# Altium PCB rf_detector.PcbDoc (part 2 of 3) (continued)
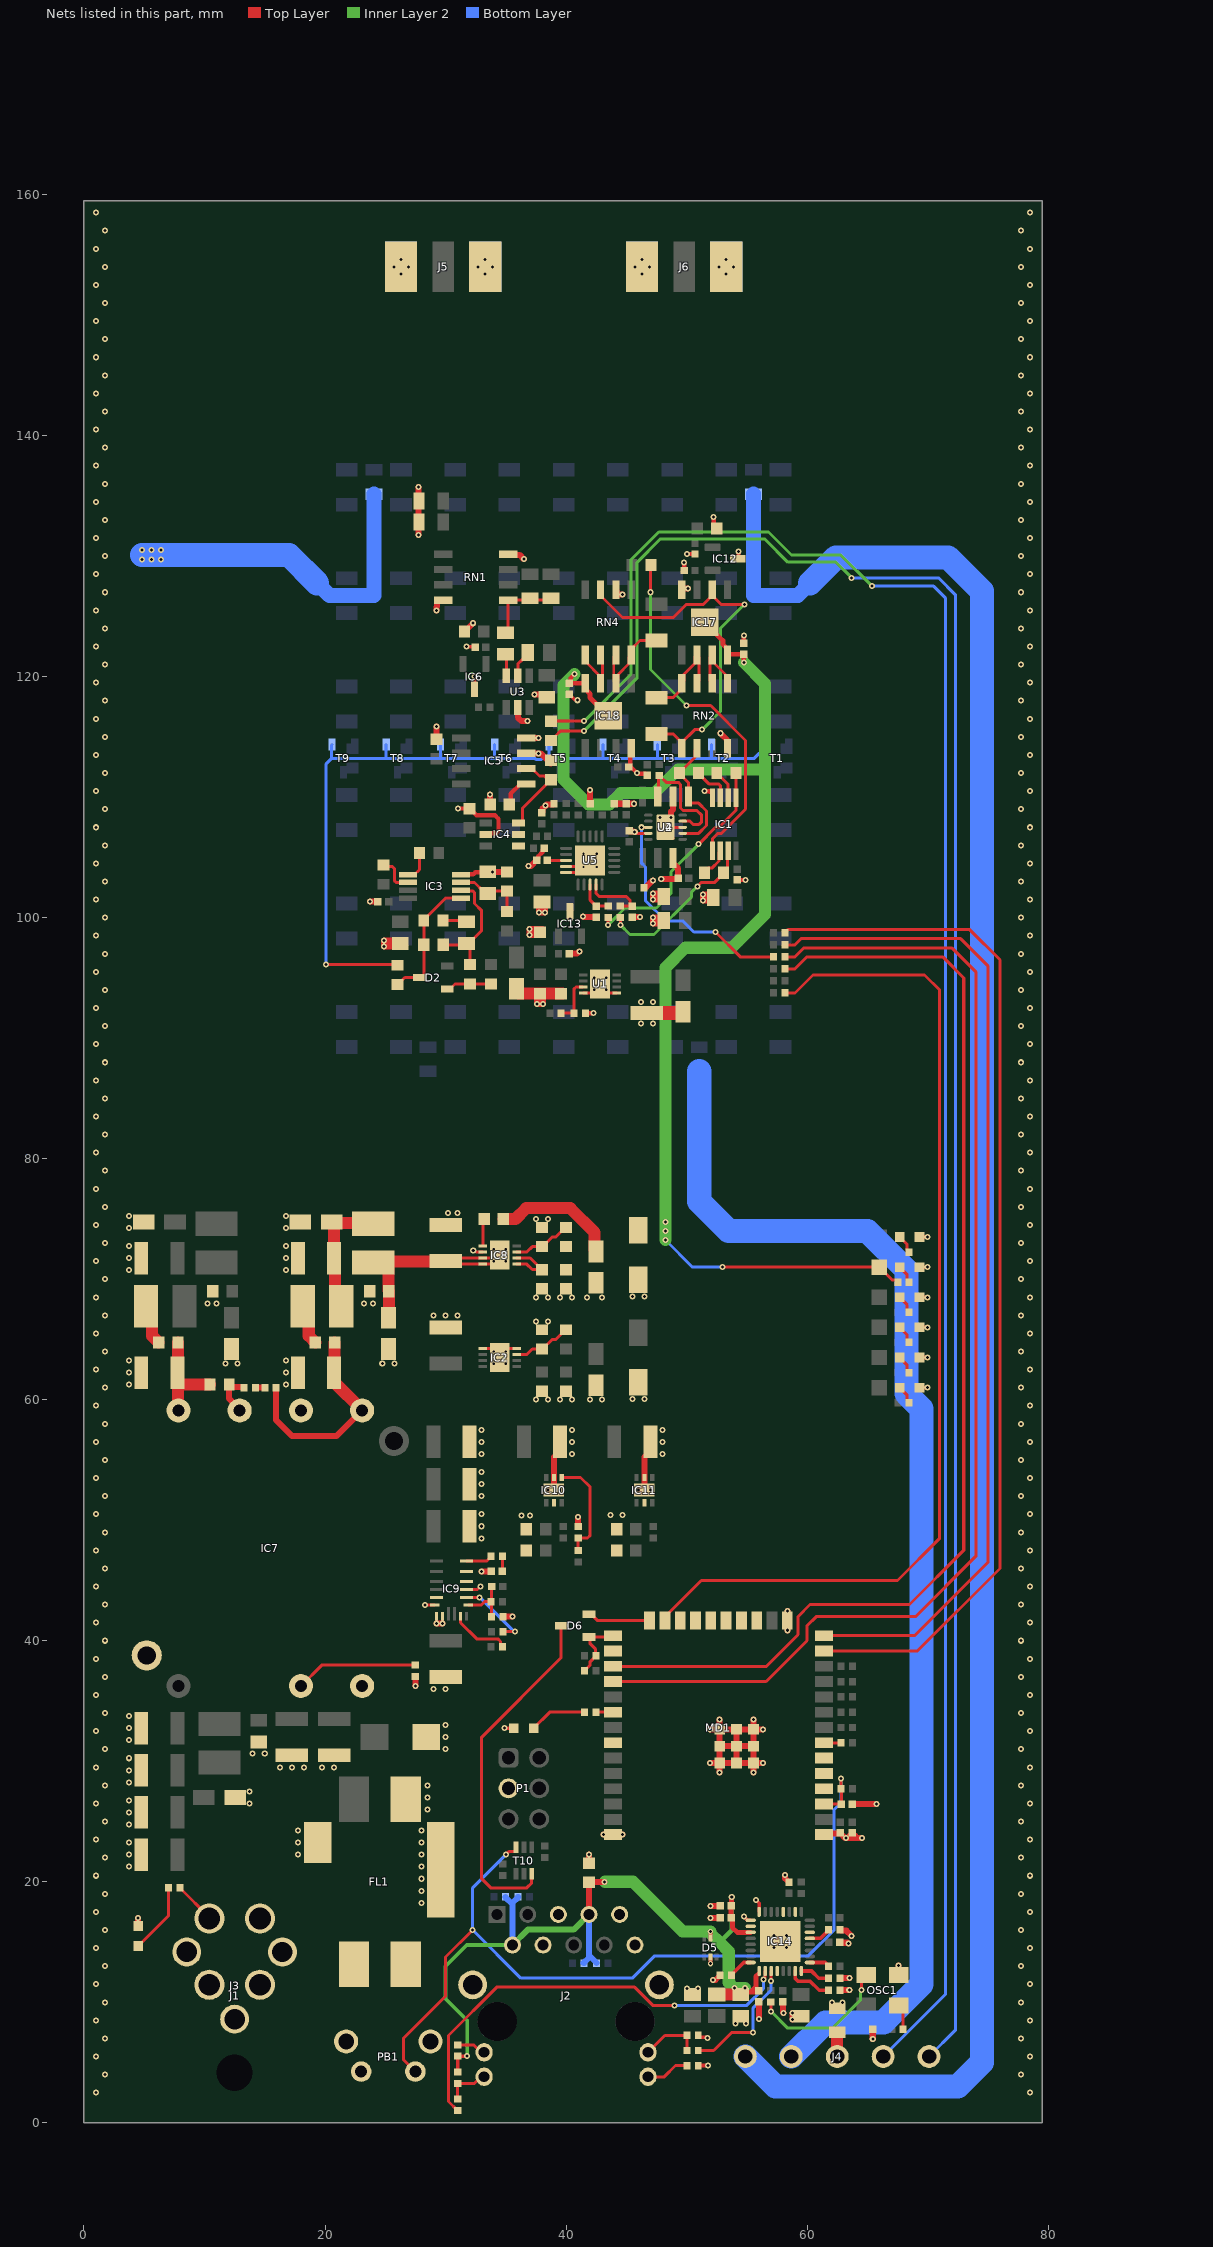
[diagram p4: the nets of this part, all layers, seen from the top]
## Part data (continued)
  R16 R97 R103 R104 R105 R108 R109 R112 R113 R120: CreateDate=03.12.2007, LatestRevisionDate=17.10.2012, PressFit=No, Sense=No, Status="Not Recommended"
  R110 R115 R134 R135 R139 R144 R146 R148 R149 R150 R151 R152 R154 R155: CreateDate=2007-12-03, LatestRevisionDate=2012-10-17, Status="Not recommended", Table="Resistors SMD"
R17: library part R0402_8K2_1%_0.0625W_100PPM, "Resistor - 1%", Case=0402, Manufacturer=GENERIC, Manufacturer1 ComponentHeight=0.4mm, Manufacturer1 Example="YAGEO PHYCOMP", Manufacturer Part Number=R0402_8K45_1%_0.0625W_100PPM, Power=0.0625W, Tolerance=±1%, Author="CERN DEM JLC", Component Type=Standard, CreateDate=03.12.2007, HelpURL=\\cern.ch\dfs\Applications\Altium\Datasheets\R0402_Phycomp_RC0402.pdf, LatestRevisionDate=17.10.2012, Mounted=Yes, Part Description="General Purpose Thick Film Chip Resistor", Part Number=R0402_8K45_1%_0.0625W_100PPM, Pin Count=2, PressFit=No, Sense=No, SMD=Yes, Socket=No, Status="Not Recommended", TC=±100ppm/°C
R19: library part R0402_51K_1%_0.0625W_100PPM, "Resistor - 1%", Case=0402, Manufacturer=GENERIC, Manufacturer1 ComponentHeight=0.4mm, Manufacturer1 Example="YAGEO PHYCOMP", Manufacturer1 Part Number=232270675103L, Power=0.0625W, Tolerance=±1%, Author="CERN DEM JLC", Component Type=Standard, CreateDate=03.12.2007, HelpURL=\\cern.ch\dfs\Applications\Altium\Datasheets\R0402_Phycomp_RC0402.pdf, LatestRevisionDate=17.10.2012, Manufacturer Part Number=R0402_51K_1%_0.0625W_100PPM, Mounted=Yes, Part Description="General Purpose Thick Film Chip Resistor", Part Number=R0402_51K_1%_0.0625W_100PPM, Pin Count=2, PressFit=No, Sense=No, SMD=Yes, Socket=No, Status="Not Recommended", TC=±100ppm/°C
R23 R24 R25 R26 R27 R28 R29 R30 R31 R33 R34 R35 R36 R37 R38 R39 R40 R41 R43 R44 R45 R46 R47 R48 R49 R50 R51 R65 R66 R67 R68 R69 R70 R71 R72 R73 R75 R76 R77 R78 R79 R80 R81 R82 R83 R86 R87 R88 R89 R90 R91 R92 R93 R94: library part R1206_43R_0.1%_0.25W_25PPM, "Resistor - 0.1%", Case=1206, Manufacturer=GENERIC, Manufacturer1 ComponentHeight=0.70mm, Manufacturer1 Example=KOA, Manufacturer1 Part Number=RN73H2BTTD43R0B25, Power=0.25W, Tolerance=±0.1%, Author="CERN DEM JLC", Component Type=Standard, CreateDate=03.12.2007, HelpURL=\\cern.ch\dfs\Applications\Altium\Datasheets\R1206_KOA_RN73H.pdf, LatestRevisionDate=13.03.2008, Manufacturer Part Number=R1206_43R_0.1%_0.25W_25PPM, Mounted=Yes, Part Description="Thin Film Chip Resistor", Part Number=R1206_43R_0.1%_0.25W_25PPM, Pin Count=2, PressFit=No, Sense=No, SMD=Yes, Socket=No, Status="Not Recommended", TC=±25ppm/°C
R32: library part R0402_2K49_1%_0.063W_100PPM, "Resistor - 0.1%", Case=0402, Manufacturer=GENERIC, Manufacturer1 ComponentHeight=0.4mm, Manufacturer Part Number=R0402_2K7_0.1%_0.063W_50PPM, Power=0.063W, Tolerance=±0.1%, Author="CERN DEM BC", Component Type=Standard, CreateDate=10.01.2020, HelpURL="\\cern.ch\dfs\Applications\Altium\Datasheets\R0402_VISHAY_CRCW e3.pdf", LatestRevisionDate=10.01.2020, Mounted=Yes, Part Description="General Purpose Thick Film Chip Resistor", Part Number=R0402_2K7_0.1%_0.063W_50PPM, Pin Count=2, PressFit=No, Sense=No, SMD=Yes, Socket=No, Status=None, TC=±50ppm/°C
R42: library part R0603_10M_1%_0.1W_100PPM, "Resistor - 1%", Case=0603, Manufacturer=GENERIC, Manufacturer1 ComponentHeight=0.55mm, Manufacturer1 Example=VISHAY, Manufacturer1 Part Number=CRCW060310M0FKEA, Power=0.1W, Tolerance=±1%, Author="CERN DEM JLC", Component Type=Standard, CreateDate=12.01.2017, HelpURL="\\cern.ch\dfs\Applications\Altium\Datasheets\R0603_VISHAY_CRCW e3.pdf", LatestRevisionDate=12.01.2017, Manufacturer Part Number=R0603_10M_1%_0.1W_100PPM, Mounted=Yes, Part Description="General Purpose Thick Film Chip Resistor", Part Number=R0603_10M_1%_0.1W_100PPM, Pin Count=2, PressFit=No, Sense=No, SMD=Yes, Socket=No, Status=Preferred, TC=±100ppm/°C
R52 R53 R54 R55 R56 R57 R58 R59 R60: library part R0603_0R_JUMPER, "Resistor", Case=0603, Manufacturer=GENERIC, Manufacturer1 ComponentHeight=0.55mm, Manufacturer1 Example="NIC COMPONENT", Manufacturer1 Part Number=NRC06Z0, Author="CERN DEM JLC", Component Type=Standard, CreateDate=03.12.2007, HelpURL=\\cern.ch\dfs\Applications\Altium\Datasheets\R0603_NIC_NRC.pdf, LatestRevisionDate=13.03.2008, Manufacturer Part Number=R0603_0R_JUMPER, Mounted=Yes, Part Description="1A (0.05R Max DC Resistance) Zero Ohm Jumper", Part Number=R0603_0R_JUMPER, Pin Count=2, PressFit=No, Sense=No, SMD=Yes, Socket=No, Status=Preferred
R62: library part R0603_100K_0.1%_0.063W_10PPM, "Resistor - 0.1%", Case=0603, Manufacturer=GENERIC, Manufacturer1 ComponentHeight=0.55mm, Manufacturer1 Example="TYCO HOLSWORTHY", Manufacturer1 Part Number=RN73C1J100KBTDF, Power=0.063W, Tolerance=±0.1%, Author="CERN DEM JLC", Component Type=Standard, CreateDate=03.12.2007, HelpURL=\\cern.ch\dfs\Applications\Altium\Datasheets\R0603_Tyco_RN73.pdf, LatestRevisionDate=13.03.2008, Manufacturer Part Number=R0603_100K_0.1%_0.063W_10PPM, Mounted=Yes, Part Description="Thin Film Chip Resistor", Part Number=R0603_100K_0.1%_0.063W_10PPM, Pin Count=2, PressFit=No, Sense=No, SMD=Yes, Socket=No, Status="Not Recommended", TC=±10ppm
R63 R85 R98: library part R0603_10K_0.1%_0.063W_10PPM, "Resistor - 0.1%", Case=0603, Manufacturer=GENERIC, Manufacturer1 ComponentHeight=0.5mm, Manufacturer1 Example="TYCO HOLSWORTHY", Manufacturer1 Part Number=RN73C1J10KBTDF, Power=0.063W, Tolerance=±0.1%, Author="CERN DEM JLC", Component Type=Standard, CreateDate=03.12.2007, HelpURL=\\cern.ch\dfs\Applications\Altium\Datasheets\R0603_Tyco_RN73.pdf, LatestRevisionDate=13.03.2008, Manufacturer Part Number=R0603_10K_0.1%_0.063W_10PPM, Mounted=Yes, Part Description="Thin Film Chip Resistor", Part Number=R0603_10K_0.1%_0.063W_10PPM, Pin Count=2, PressFit=No, Sense=No, SMD=Yes, Socket=No, Status="Not Recommended", TC=±10ppm
R64 R74: library part R0402_5K6_1%_0.0625W_100PPM, "Resistor - 1%", Case=0402, Manufacturer=GENERIC, Manufacturer1 ComponentHeight=0.4mm, Manufacturer1 Example="YAGEO PHYCOMP", Manufacturer Part Number=R0402_5K62_1%_0.0625W_100PPM, Power=0.0625W, Tolerance=±1%, Author="CERN DEM JLC", Component Type=Standard, CreateDate=03.12.2007, HelpURL=\\cern.ch\dfs\Applications\Altium\Datasheets\R0402_Phycomp_RC0402.pdf, LatestRevisionDate=17.10.2012, Mounted=Yes, Part Description="General Purpose Thick Film Chip Resistor", Part Number=R0402_5K62_1%_0.0625W_100PPM, Pin Count=2, PressFit=No, Sense=No, SMD=Yes, Socket=No, Status="Not Recommended", TC=±100ppm/°C
R84 R100 R101: library part R0402_2K4_1%_0.0625W_100PPM, "Resistor - 1%", Case=0402, Manufacturer=GENERIC, Manufacturer1 ComponentHeight=0.4mm, Manufacturer1 Example="YAGEO PHYCOMP", Manufacturer1 Part Number=232270672402L, Power=0.0625W, Tolerance=±1%, Author="CERN DEM JLC", Component Type=Standard, CreateDate=03.12.2007, HelpURL=\\cern.ch\dfs\Applications\Altium\Datasheets\R0402_Phycomp_RC0402.pdf, LatestRevisionDate=17.10.2012, Manufacturer Part Number=R0402_2K4_1%_0.0625W_100PPM, Mounted=Yes, Part Description="General Purpose Thick Film Chip Resistor", Part Number=R0402_2K4_1%_0.0625W_100PPM, Pin Count=2, PressFit=No, Sense=No, SMD=Yes, Socket=No, Status="Not Recommended", TC=±100ppm/°C
R99 R106 R107 R127 R133 R136 R137 R138: library part R0402_1K_1%_0.0625W_100PPM, "Resistor - 1%", Case=0402, Manufacturer=GENERIC, Manufacturer1 ComponentHeight=0.4mm, Manufacturer1 Example="YAGEO PHYCOMP", Manufacturer1 Part Number=232270671002L, Power=0.0625W, Tolerance=±1%, Author="CERN DEM JLC", Component Type=Standard, CreateDate=03.12.2007, HelpURL=\\cern.ch\dfs\Applications\Altium\Datasheets\R0402_Phycomp_RC0402.pdf, LatestRevisionDate=17.10.2012, Manufacturer Part Number=R0402_1K_1%_0.0625W_100PPM, Mounted=Yes, Part Description="General Purpose Thick Film Chip Resistor", Part Number=R0402_1K_1%_0.0625W_100PPM, Pin Count=2, PressFit=No, Sense=No, SMD=Yes, Socket=No, Status="Not Recommended", TC=±100ppm/°C
R102: library part R0402_5K1_1%_0.0625W_100PPM, "Resistor - 1%", Case=0402, Manufacturer=GENERIC, Manufacturer1 ComponentHeight=0.4mm, Manufacturer1 Example="YAGEO PHYCOMP", Manufacturer1 Part Number=232270675102L, Power=0.0625W, Tolerance=±1%, Author="CERN DEM JLC", Component Type=Standard, CreateDate=03.12.2007, HelpURL=\\cern.ch\dfs\Applications\Altium\Datasheets\R0402_Phycomp_RC0402.pdf, LatestRevisionDate=17.10.2012, Manufacturer Part Number=R0402_5K1_1%_0.0625W_100PPM, Mounted=Yes, Part Description="General Purpose Thick Film Chip Resistor", Part Number=R0402_5K1_1%_0.0625W_100PPM, Pin Count=2, PressFit=No, Sense=No, SMD=Yes, Socket=No, Status="Not Recommended", TC=±100ppm/°C
R111 R114 R140 R141: library part R0402_330R_1%_0.0625W_100PPM, "Resistor - 1%", Case=0402, Manufacturer=GENERIC, Manufacturer1 ComponentHeight=0.4mm, Manufacturer1 Example="YAGEO PHYCOMP", Manufacturer1 Part Number=232270673301L, Power=0.0625W, Tolerance=±1%, Author="CERN DEM JLC", Component Type=Standard, CreateDate=03.12.2007, HelpURL=\\cern.ch\dfs\Applications\Altium\Datasheets\R0402_Phycomp_RC0402.pdf, LatestRevisionDate=17.10.2012, Manufacturer Part Number=R0402_330R_1%_0.0625W_100PPM, Mounted=Yes, Part Description="General Purpose Thick Film Chip Resistor", Part Number=R0402_330R_1%_0.0625W_100PPM, Pin Count=2, PressFit=No, Sense=No, SMD=Yes, Socket=No, Status="Not Recommended", TC=±100ppm/°C
R117 R128 R129 R130 R131 R132: library part R0402_33R_1%_0.0625W_100PPM, "Resistor - 1%", Case=0402, Manufacturer=GENERIC, Manufacturer1 ComponentHeight=0.4mm, Manufacturer1 Example="YAGEO PHYCOMP", Manufacturer1 Part Number=232270673309L, Power=0.0625W, Tolerance=±1%, Author="CERN DEM JLC", Component Type=Standard, CreateDate=03.12.2007, HelpURL=\\cern.ch\dfs\Applications\Altium\Datasheets\R0402_Phycomp_RC0402.pdf, LatestRevisionDate=17.10.2012, Manufacturer Part Number=R0402_33R_1%_0.0625W_100PPM, Mounted=Yes, Part Description="General Purpose Thick Film Chip Resistor", Part Number=R0402_33R_1%_0.0625W_100PPM, Pin Count=2, PressFit=No, Sense=No, SMD=Yes, Socket=No, Status="Not Recommended", TC=±100ppm/°C
R122 R125: library part R0805_24R9_0.1%_0.1W_10PPM, "Resistor - 0.01%", Case=0805, Manufacturer=GENERIC, Manufacturer1 ComponentHeight=0.6mm, Manufacturer1 Example="TYCO HOLSWORTHY", Manufacturer1 Part Number=RU73X2A24R9LTDF, Manufacturer Part Number=R0805_24R9_0.01%_0.1W_2PPM, Power=0.1W, Tolerance=±0.01%, Author="CERN DEM JLC", Component Type=Standard, CreateDate=03.12.2007, HelpURL=\\cern.ch\dfs\Applications\Altium\Datasheets\R0805_Tyco_RN73.pdf, LatestRevisionDate=13.03.2008, Mounted=Yes, Part Description="Thin Film Chip Resistor", Part Number=R0805_24R9_0.01%_0.1W_2PPM, Pin Count=2, PressFit=No, Sense=No, SMD=Yes, Socket=No, Status="Not Recommended", TC=±2pm
R123 R124: library part R0805_100R_0.1%_0.1W_10PPM, "Resistor - 0.01% / 2PPM", Case=0805, Manufacturer=GENERIC, Manufacturer1 ComponentHeight=0.6mm, Manufacturer1 Example="TYCO HOLSWORTHY", Manufacturer1 Part Number=RN73C2A100RBTG, Part Number=RNCF0805TKW100R, Power=0.1W, Tolerance=±0.01%, Author="CERN DEM JLC", Component Type=Standard, CreateDate=03.12.2007, HelpURL=\\cern.ch\dfs\Applications\Altium\Datasheets\R0805_Tyco_RN73.pdf, LatestRevisionDate=13.03.2008, Manufacturer Part Number=R0805_100R_0.1%_0.1W_10PPM, Mounted=Yes, Part Description="Thin Film Chip Resistor", Pin Count=2, PressFit=No, Sense=No, SMD=Yes, Socket=No, Status="Not Recommended", TC=±10ppm
R126 R153: library part R0402_10R_1%_0.0625W_200PPM, "Resistor - 1%", Case=0402, Manufacturer=GENERIC, Manufacturer1 ComponentHeight=0.4mm, Manufacturer1 Example="YAGEO PHYCOMP", Manufacturer1 Part Number=232270671009L, Power=0.0625W, Tolerance=±1%, Author="CERN DEM JLC", Component Type=Standard, CreateDate=24.06.2009, HelpURL=\\cern.ch\dfs\Applications\Altium\Datasheets\R0402_Phycomp_RC0402.pdf, LatestRevisionDate=17.10.2012, Manufacturer Part Number=R0402_10R_1%_0.0625W_200PPM, Mounted=Yes, Part Description="General Purpose Thick Film Chip Resistor", Part Number=R0402_10R_1%_0.0625W_200PPM, Pin Count=2, PressFit=No, Sense=No, SMD=Yes, Socket=No, Status="Not Recommended", TC=±200ppm/°C
R142 R143 R145 R147: library part R0402_49R9_1%_0.0625W_100PPM, "Resistor - 1%", Case=0402, Manufacturer=GENERIC, Manufacturer1 ComponentHeight=0.4mm, Manufacturer1 Example="YAGEO PHYCOMP", Manufacturer1 Part Number="232270674999L or RC0402FR-0749R9L", Power=0.0625W, Tolerance=±1%, Author="CERN DEM JLC", Component Type=Standard, CreateDate=2012-10-24, HelpURL=\\cern.ch\dfs\Applications\Altium\Datasheets\R0402_Phycomp_RC0402.pdf, LatestRevisionDate=2012-10-24, Manufacturer Part Number=R0402_49R9_1%_0.0625W_100PPM, Mounted=Yes, Part Description="General Purpose Thick Film Chip Resistor", Part Number=R0402_49R9_1%_0.0625W_100PPM, Pin Count=2, SMD=Yes, Socket=No, Status="Not recommended", Table="Resistors SMD", TC=±100ppm/°C
R156: library part R0402_12K1_1%_0.0625W_100PPM, "Resistor - 1%", Case=0402, Manufacturer=GENERIC, Manufacturer1 ComponentHeight=0.4mm, Manufacturer1 Example="YAGEO PHYCOMP", Manufacturer1 Part Number="232270671213L or RC0402FR-0712K1L", Power=0.0625W, Tolerance=±1%, Author="CERN DEM JLC", Component Type=Standard, CreateDate=2012-10-24, HelpURL=\\cern.ch\dfs\Applications\Altium\Datasheets\R0402_Phycomp_RC0402.pdf, LatestRevisionDate=2012-10-24, Manufacturer Part Number=R0402_12K1_1%_0.0625W_100PPM, Mounted=Yes, Part Description="General Purpose Thick Film Chip Resistor", Part Number=R0402_12K1_1%_0.0625W_100PPM, Pin Count=2, SMD=Yes, Socket=No, Status="Not recommended", Table="Resistors SMD", TC=±100ppm/°C
RN1: library part RN_1K_1K_VISHAY_Y1747V0191QT9, "DIL8 Resistor Network 4 Isolated Resistor 0.01%", Case=SOIC8, Manufacturer="VISHAY FOIL RESISTOR", Manufacturer Part Number=Y1747V0178, Part Number=RN_100R_100R_VISHAY_Y1747V0178, Power=4x0.1W, Tolerance=0.02%, Author="CERN DEM JMW", Component Type=Standard, ComponentHeight=1.86mm, CreateDate=11.06.2019, HelpURL=\\cern.ch\dfs\Applications\Altium\Datasheets\RN_VISHAY_SMNZ.pdf, LatestRevisionDate=11.06.2019, Mounted=Yes, Part Description="Ultra High Precision Z-Foil Surface Mount 4 Resistors Network, SMNZ Series", Pin Count=8, PressFit=No, Sense=No, SMD=Yes, Socket=No, TC=±0.2ppm/°C
RN2 RN4: library part RN_10K_10K_VISHAY_Y1747V0008QT9, "DIL8 Resistor Network 4 Isolated Resistor 0.01%", Case=SOIC8, Manufacturer="VISHAY FOIL RESISTOR", Manufacturer Part Number=Y1747V0008QT9, Power=4x0.1W, Tolerance=0.02%, Author="CERN DEM BC", Component Type=Standard, ComponentHeight=1.86mm, CreateDate=02.09.2019, HelpURL=\\cern.ch\dfs\Applications\Altium\Datasheets\RN_VISHAY_SMNZ.pdf, LatestRevisionDate=02.09.2019, Mounted=Yes, Part Description="Ultra High Precision Z-Foil Surface Mount 4 Resistors Network, SMNZ Series", Part Number=RN_10K_10K_VISHAY_Y1747V0008QT9, Pin Count=8, PressFit=No, Sense=No, SMD=Yes, Socket=No, TC=±0.2ppm/°C
RT1: library part THERM_NTC_10K_EPCOS_B57330V2103J260, "Thermistor NTC (Negative Temperature Coefficient)", Case=0603, Manufacturer="EPCOS / TDK", Manufacturer Part Number=B57330V2103J260, Power=180mW, Tolerance=±5%, Author="CERN DEM BC", Component Type=Standard, ComponentHeight=0.9mm, CreateDate=30.07.2015, HelpURL=\\cern.ch\dfs\Applications\Altium\Datasheets\THERM_EPCOS_B573xxV2.pdf, LatestRevisionDate=30.07.2015, Mounted=Yes, Part Description="SMD NTC Thermistor for Temperature Measurement", Part Number=THERM_NTC_10K_EPCOS_B57330V2103J260, Pin Count=2, Sense=No, SMD=Yes, Socket=No, Status=None
T1 T2 T3 T4 T5 T6 T7 T8 T9: "N-CHANNEL MOSFET WITH DIODE", Case=SOT23-3, Manufacturer=NEXPERIA, Author="CERN DEM BC", Bonding=No, Component Type=Standard, ComponentHeight=1.1mm, CreateDate=23.04.2020, Device=PMV40UN2, HelpURL=\\cern.ch\dfs\Applications\Altium\Datasheets\PMV40UN2.pdf, LatestRevisionDate=23.04.2020, Manufacturer Part Number=PMV40UN2, Mounted=Yes, PackageDescription="SOT23, 0.95mm Pitch; 3 Pin, 1.30mm W X 2.90mm L X 1.10mm H body, IPC Medium Density", Part Description="30V 4.4A N-Channel Trench MOSFET", Part Number=PMV40UN2, Pin Count=3, PressFit=No, Sense=No, SMD=Yes, Socket=No
T10: "45V 100mA Dual NPN General-Purpose Transistor", Case=SOT363, Manufacturer="NXP SEMICONDUCTORS", Author="CERN DEM JMW", Bonding=No, Component Type=Standard, ComponentHeight=1.1mm, CreateDate=10.07.2015, Device=BC847BS, HelpURL=\\cern.ch\dfs\Applications\Altium\Datasheets\BC847BS.pdf, LatestRevisionDate=10.07.2015, Manufacturer Part Number=BC847BS, Mounted=Yes, PackageDescription="SOT363, SC-88, SOT, 0.65mm Pitch, 6 pin, 1.25mm W X 2.00mm L X 1.10mm H, IPC Medium Density", Part Description="45V 100mA Dual NPN General-Purpose Transistor", Part Number=BC847BS, Pin Count=6, PressFit=No, Sense=No, SMD=Yes, Socket=No
TP1 TP2 TP3 TP4 TP5 TP6: library part SMD_PAD_1.27X1.27MM, Author="CERN DEM JLC", Component Type="Standard (No BOM)", ComponentHeight=0mm, CreateDate=12.01.2008, Family="Test Point", HelpURL=Undefined, LatestRevisionDate=12.01.2008, Mounted=No, PackageDescription="1.27mm x 1.27mm PCB Copper Area (SMD Test Point)", Part Description="1.27mm x 1.27mm PCB Copper Area (SMD Test Point)", Part Number=SMD_PAD_1.27X1.27MM, Pin Count=1, Sense=No, SMD=Yes, Socket=No, Status=None
U2: library part CMP-0318-00925-2, "Single 16-Bit Digital-to-Analog Converter with Serial Interface, 2.7 to 5.5 V, -40 to +85 degC, R-8, Pb-Free, Tube", Generic Part Number=AD5541, Manufacturer="Analog Devices", # DAC Outputs=1, Code_IPC=SOIC127P600-8, Code_JEDEC=MS-012-AA, ComponentLink1Description="Manufacturer URL", ComponentLink1URL=http://www.analog.com/en/index.html, ComponentLink2Description=Datasheet, ComponentLink2URL=http://www.analog.com/static/imported-files/data_sheets/AD5541_5542.pdf, ComponentLink3Description="Package Specification", ComponentLink3URL=http://www.analog.com/static/imported-files/packages/PKG_PDF/SOIC_Narrow%20(R)/R_8.pdf, ComponentLink4Description="Product URL", ComponentLink4URL=http://www.analog.com/en/digital-to-analog-converters/da-converters/ad5541/products/product.html, ComponentLink5Description="Reference Design URL", ComponentLink5URL=http://www.analog.com/en/digital-to-analog-converters/da-converters/ad5541/products/product.html#prod_cross_sell, DatasheetVersion=Rev.F, Max V+=5.5V, Mounting Technology="Surface Mount", Op Pwr Diss=6.05mW, PackageDescription="8-Lead Standard Small Outline Package [SOIC_N] Narrow Body", PackageReference=R-8, PackageVersion=060506-A, Packing=Tube, PartNumber=AD5541CRZ, Resolution (Bits)=16, RevisionNote="Component URL fixed", RoHS=Y, Settling Time=1Âµs, Single Supply=Yes
U3: library part CMP-09141-000004-1, "IC RF DETECT 100KHZ-1GHZ TSOT23", Manufacturer="Analog Devices", Max Frequency=1000MHz, Max Junction Temp=+125°C, Package=TSOT-23, Temperature="-40°C to +85°C", Temperature Range High=+85°C, Temperature Range Low=-40°C, Automotive=No, Bandwidth=999.9MHz, Category=IC, ComponentLink2Description=Datasheet, ComponentLink2URL=https://www.analog.com/media/en/technical-documentation/data-sheets/5507f.pdf, Device Class L1="Integrated Circuits (ICs)", Device Class L2="RF Semiconductors and Devices", Device Class L3=unset, Digikey Description="IC RF DETECT 100KHZ-1GHZ TSOT23", Height=1mm, Ipc Land Pattern Name=SOT95P280X91-6, Lead Free=Yes, Manufacturer Part Number=LTC5507ES6#TRMPBF, Mouser Description="RF Detector 0.1MHz to 1000MHz 14dBm Automotive 6-Pin TSOT-23 T/R", Octopart=https://octopart.com/ltc5507es6%23trmpbf-analog+devices-88320008, RoHS=TRUE, Standoff Height=0.01mm
U4: library part CMP-0318-01240-2, "Single 16-Bit Voltage Output Digital-to-Analog Converter with Serial Interface, 2.7 to 5.5 V, -40 to +125 degC, CP-10-9, Pb-Free, Reel", Generic Part Number=AD5541A, Manufacturer="Analog Devices", # DAC Outputs=1, ComponentLink1Description="Manufacturer URL", ComponentLink1URL=http://www.analog.com/en/index.html, ComponentLink2Description=Datasheet, ComponentLink2URL=http://www.analog.com/static/imported-files/data_sheets/AD5541A.pdf, ComponentLink3Description="Package Specification", ComponentLink3URL=http://www.analog.com/static/imported-files/packages/CP_10_9.pdf, ComponentLink4Description="Product URL", ComponentLink4URL=http://www.analog.com/en/digital-to-analog-converters/da-converters/ad5541a/products/product.html, DatasheetVersion=Rev.A, Max V+=5.5V, Mounting Technology="Surface Mount", Op Pwr Diss=600ÂµW, PackageDescription="10-Lead Lead Frame Chip Scale Package [LFCSP_WD] 3 x 3 mm Body, Very Very Thin, Dual Lead", PackageReference=CP-10-9, PackageVersion=02-27-2012-B, Packing=Reel, PartNumber=AD5541ABCPZ-REEL7, Resolution (Bits)=16, RevisionNote="Component URL fixed", RoHS=Y, Settling Time=1Âµs, Single Supply=Yes
U5: library part CMP-0313-00572-2, "Octal 16-Bit PulSAR Analog-to-Digital Converter with Serial, SPI Interface, 500KSPS, -40 to +85 degC, CP-20-4, Pb-Free, Reel", Generic Part Number=AD7699, Manufacturer="Analog Devices", Channels=8, Code_JEDEC=MO-220-VGGD-1, ComponentLink1Description="Manufacturer URL", ComponentLink1URL=http://www.analog.com/en/index.html, ComponentLink2Description=Datasheet, ComponentLink2URL=http://www.analog.com/static/imported-files/data_sheets/AD7699.pdf, ComponentLink3Description="Package Specification", ComponentLink3URL=http://www.analog.com/static/imported-files/packages/PKG_PDF/LFCSP(CP)/CP_20_4.pdf, ComponentLink4Description="Product URL", ComponentLink4URL=http://www.analog.com/en/analog-to-digital-converters/ad-converters/ad7699/products/product.html, DatasheetVersion=Rev.B, Interface="Ser, SPI", Mounting Technology="Surface Mount", PackageDescription="20-Lead Lead Frame Chip Scale Package [LFCSP_VQ] 4 x 4 mm Body, Very Thin Quad", PackageReference=CP-20-4, PackageVersion=012508-B, Packing=Reel, PartNumber=AD7699BCPZRL7, Resolution (Bits)=16, RoHS=Y, Throughput Rate (SPS)=500K

## Via types
v1: diameter 0.5, hole 0.25, Top Layer to Bottom Layer, tented both sides, 624 vias
v2: diameter 0.5, hole 0.2, Top Layer to Bottom Layer, tented both sides, 16 vias
v3: diameter 0.45, hole 0.25, Top Layer to Bottom Layer, tented both sides, 2 vias

## Nets (pads, with @x,y where several pads share a name; then routed paths per layer and width w, separated by ;. In a path a pad name is that pad's centre, name@x,y a point inside that pad or via, vN(x,y) a via of type N, cw(c..) or ccw(c..) an arc to the next point about the centre after c; other vN are vias at no path point)
ADC_IN_OFFSET: IC1.1 R1.2 R106.1 | length 19.3
  Top Layer w0.25: v1(43.5,99.4) R106.1@43.5,100.03 ; v1(51,106.1) 52.4,107.5 52.7,107.5 54.1,108.9 R1.2@54.1,112
  Inner Layer 2 w0.25: v1(43.5,99.4) 44.9,100.8 47.5,100.8 48.7,102 48.7,103.8 v1(51,106.1)
ADC_IN_OFFSET_FLT: C59.2 R106.2 U5.8 | length 3
  Top Layer w0.25: U5.8@42,102.75 42,101.45 C59.2@42.5,100.95 42.51,100.96 43.49,100.96 R106.2@43.5,100.97
ADC_IN_RF_PWR_FLT: C60.2 R107.2 U5.9 | length 5.4
  Top Layer w0.25: U5.9@42.5,102.75 42.5,102 42.75,101.75 45,101.75 45.325,101.425 45.325,101.125 C60.2@45.49,100.96 ; R107.2@44.5,100.97 44.51,100.96 C60.2@45.49,100.96 ; C60.2@45.5,100.95 C60.2@45.49,100.96
ADC_IN_RF_PWR_MON: IC1.7 R2.2 R107.1 | length 13.9
  Top Layer w0.25: v1(44.5,99.4) R107.1@44.5,100.03 ; v1(50.9,102.6) 51.2,102.9 52.3,102.9 53.075,103.675 R2.2@53.075,103.725 ; R2.2@53.08,103.73 53.4,104.05 53.4,105.5 IC1.7@53.45,105.55
  Inner Layer 2 w0.25: v1(44.5,99.4) 45.3,98.6 47.3,98.6 50.4,101.7 50.4,102.1 v1(50.9,102.6)
AVDDT_PHY: C4.2 C93.1 C94.2 C100.2 C101.2 D5.5 FB1.1 IC14.1 IC14.27 J2.4 J2.9 R110.1 R111.1 R142.1 R143.1 R145.1 R147.1 | length 69.9
  Top Layer w0.3: R110.1@31,4.22 R111.1@31,5.53 v1(31.8,5.53) ; v3(51.975,15.875) 51.982,15.868 D5.5@51.982,15.334
  Top Layer w0.4: v1(53.75,18.75) 53.731,18.731 53.731,18.031 C94.2@53.7,18 C100.2@53.7,17 53.809,16.891 53.809,16.191 54.2,15.8 IC14.27@55.325,15.8 ; C93.1@54.5,10.65 54.69,10.84 55.29,10.84 ; IC14.1@55.975,12.375 55.75,12.15 55.75,11.3 ; 55.29,10.84 55.89,10.84 C101.2@56,10.95 55.75,11.2 55.75,11.3 ; 55.29,10.84 55.75,11.3
  Top Layer w0.5: J2.4@41.905,17.29 C4.2@41.905,19.95 41.955,20 v1(43.2,20)
  Top Layer w1: FB1.1@52.5,10.65 C93.1@54.5,10.65
  Inner Layer 2 w0.3: v1(31.8,5.53) 31.8,8.487 30,10.287 30,13 31.75,14.75 J2.9@35.555,14.75
  Inner Layer 2 w0.4: 52.741,14.975 53.75,15.984 v1(53.75,18.75)
  Inner Layer 2 w0.5: J2.9@35.555,14.75 36.825,16.02 40.635,16.02 J2.4@41.905,17.29
  Inner Layer 2 w1: v1@43.25,20 45.55,20 49.675,15.875 v3(51.975,15.875) 51.975,15.741 52.741,14.975 53.5,14.216 53.5,11.644 v1(53.969,11.175) v1(54.85,11.175)
  Bottom Layer w0.5: R145.1@34.97,18.75 34.97,18.73 35.555,18.145 ; J2.9@35.555,14.75 35.555,18.145 ; R147.1@36.03,18.75 36.03,18.73 35.555,18.255 35.555,18.145 ; R142.1@41.47,13.25 41.47,13.27 41.905,13.705 41.905,13.895 ; J2.4@41.905,17.29 41.905,13.895 ; R143.1@42.53,13.25 42.53,13.27 41.905,13.895
DAC_LDAC: R132.1 U4.8 | length 19.4
  Top Layer w0.25: v1(46.25,107.5) U4.8@46.825,107.5 ; v1(52.4,98.8) 54.45,96.75 R132.1@57.21,96.75
  Bottom Layer w0.25: v1(46.25,107.5) 46.248,107.498 46.248,104.552 46.602,104.198 46.602,101.398 48.285,99.715 49.685,99.715 50.6,98.8 v1(52.4,98.8)
DAC_OUT_OFFSET: R4.1 RN2.2 U2.1 U4.2 | length 10.6
  Top Layer w0.25: R4.1@49.4,112 49.4,112.05 49.725,112.375 49.775,112.375 50.69,113.29 50.69,113.875 RN2.2@50.865,114.05 ; R4.1@49.5,112.05 49.5,111.85 50.155,111.195 50.155,109.673 50.328,109.5 51,109.5 51.646,108.854 51.646,107.646 51,107 U4.2@49.675,107
DAC_REF: R116.1 U2.3 U4.4 | length 10.7
  Top Layer w0.25: U2.3@47.615,109.45 U2.3@47.615,110.05 47.683,110.118 R116.1@47.683,111.712 ; R116.1@47.75,111.78 R116.1@47.683,111.712 ; U4.4@49.675,108 50.29,108 50.542,107.748 51.048,107.748 51.252,107.952 51.252,108.498 50.852,108.898 49.702,108.898 49.5,109.1 49.5,111.054 49.354,111.2 48.35,111.2 47.838,111.712 R116.1@47.683,111.712
ESP32_EN: C88.2 MD1.3 PB1.1 R120.2 T10.3 | length 72.9
  Top Layer w0.25: PB1.1@27.5,4.25 26.5,5.25 26.5,7 30,10.5 30,13.75 v1(32.25,16) ; v1(35,22.25) 35.25,22.5 35.775,22.5 35.85,22.575 T10.3@35.85,22.85 ; MD1.3@61.4,26.45 C88.2@62.85,26.45 62.84,26.46 62.84,27.71 R120.2@62.83,27.72 v1(62.83,28.58)
  Bottom Layer w0.25: v1(35,22.25) 32.25,19.5 v1(32.25,16) 36.25,12 45.5,12 47.354,13.854 60.104,13.854 62.25,16 62.25,26 62.83,26.58 v1(62.83,28.58)
GND: C1.1 C2.1 C3.1 C4.1 C5.1 C6.1 C7.1 C8.1 C9.2 C10.1 C11.1 C12.1 C13.1 C14.1 C15.2 C16.2 C17.1 C19.1 C21.1 C22.1 C23.1 C24.1 C25.1 C26.1 C27.1 C28.1 C29.1 C30.2 C31.1 C32.1 C33.1 C34.1 C35.1 C36.1 C37.1 C38.1 C39.1 C40.1 C42.2 C43.1 C44.1 C45.1 C46.1 C47.1 C48.1 C49.1 C50.2 C51.2 C53.1 C54.1 C55.1 C56.1 C57.1 C58.1 C59.1 C60.1 C61.1 C62.1 C63.1 C64.1 C65.1 C66.1 C67.1 C68.1 C69.1 C70.1 C71.1 C72.1 C73.1 C74.1 C75.1 C76.1 C79.1 C80.1 C81.1 C82.1 C84.1 C86.1 C87.1 C88.1 C89.1 C90.2 C93.2 C94.1 C95.1 C96.1 C97.2 C98.1 C99.1 C100.1 C101.1 D1.2 D3.2 D4.1 D5.2 FL1.4 IC1.4 IC2.4 IC2.5 IC2.9 IC3.4 IC4.2 IC5.3 IC5.4 IC6.3 IC7.3 IC7.5 IC7.8 IC8.6 IC9.3 IC9.12 IC9.13 IC9.14 IC10.5 IC10.7 IC11.5 IC11.7 IC12.3 IC13.3 IC14.24 IC14.25 IC14.33 IC17.8 IC18.8 J2.S1 J2.S2 J5.2 J6.2 LD1.1 LD2.1 LD3.1 LD4.1 LD5.1 LD6.2 LD7.1 LD8.1 MD1.1 MD1.15 MD1.38 MD1.39 OSC1.2 P1.3 PB1.2 PB1.3 PB1.4 R3.1 R7.1 R9.2 R13.1 R32.1 R64.1 R84.1 R85.1 R95.1 R114.1 R115.1 R119.2 R123.1 R124.1 R144.2 R146.2 R151.2 R156.1 RN1.4 RN1.8 RN2.4 RN4.2 U1.4 U1.5 U1.9 U2.2 U2.7 U3.2 U4.3 U4.9 U4.11 U5.4 U5.5 U5.21 | length 198.9
  Top Layer w0.2: U1.9@42.1,93.75 42.825,94.475 U1.9@42.825,94.5 ; v2(43.325,94) 43.325,93.975 U1.9@43.55,93.75
  Top Layer w0.25: v1(28.3,42.95) IC9.12@29.1,42.95 ; v1(29.25,41.45) IC9.13@29.25,42.05 ; v1(29.75,41.45) IC9.14@29.75,42.05 ; IC9.3@31.75,44.25 32.638,44.25 32.888,44.5 v1(32.9,44.5) ; v1(32.3,72.4) 32.368,72.4 32.518,72.25 IC8.6@33.1,72.25 ; IC2.5@33.1,64.25 33.8,64.25 34,64.05 v2(34,64) ; v2(35,64) 35,64.05 35.2,64.25 IC2.4@35.9,64.25 ; U5.5@40,103.75 41,103.75 v2(41.45,104.2) 41.4,104.25 U5.4@40,104.25 ; U1.4@41.425,93.75 U1.9@42.1,93.75 ; U1.9@43.55,93.75 U1.5@44.225,93.75 ; v1@45.6,106.998 46.458,106.998 46.46,107 U4.9@46.825,107 ; U4.11@48.885,106.565 48.25,107.2 U4.11@48.25,107.5 U4.3@49.675,107.5
  Top Layer w0.3: v1(31.75,122.5) 31.775,122.475 32.425,122.475 C25.1@32.45,122.45 ; IC6.3@32.4,118.95 v1(32.4,120) ; v1(34.875,32.75) LD8.1@35.675,32.75 ; IC5.3@36.7,113.635 IC5.3@36.703,113.632 ; IC5.4@36.7,114.905 IC5.4@36.703,114.903 ; v1@37.697,113.632 v1(37.7,113.63) ; v1@37.697,114.903 v1(37.7,114.9) ; C82.1@40.25,118.55 40.722,118.078 40.911,118.078 v1(40.949,118.039) ; R114.1@50.97,4.75 v1(51.77,4.75) ; R115.1@50.97,7.25 50.97,7.23 51.11,7.09 51.656,7.09 51.696,7.05 v1(51.75,7.05) ; v3@51.982,13.22 D5.2@51.982,13.754 ; v1(54.75,17.1) 55.05,16.8 IC14.25@55.325,16.8 ; v1(55.75,18.5) 56.025,18.225 IC14.24@56.025,17.5 ; LD1.1@69.325,61 v1(70,61) ; LD2.1@69.325,63.5 v1(70,63.5) ; LD3.1@69.325,66 v1(70,66) ; LD4.1@69.325,68.5 v1(70,68.5) ; LD6.2@69.325,71 v1(70,71) ; LD5.1@69.325,73.5 v1(70,73.5)